# KiCad board NoU2-panelized2.kicad_pcb (continued)
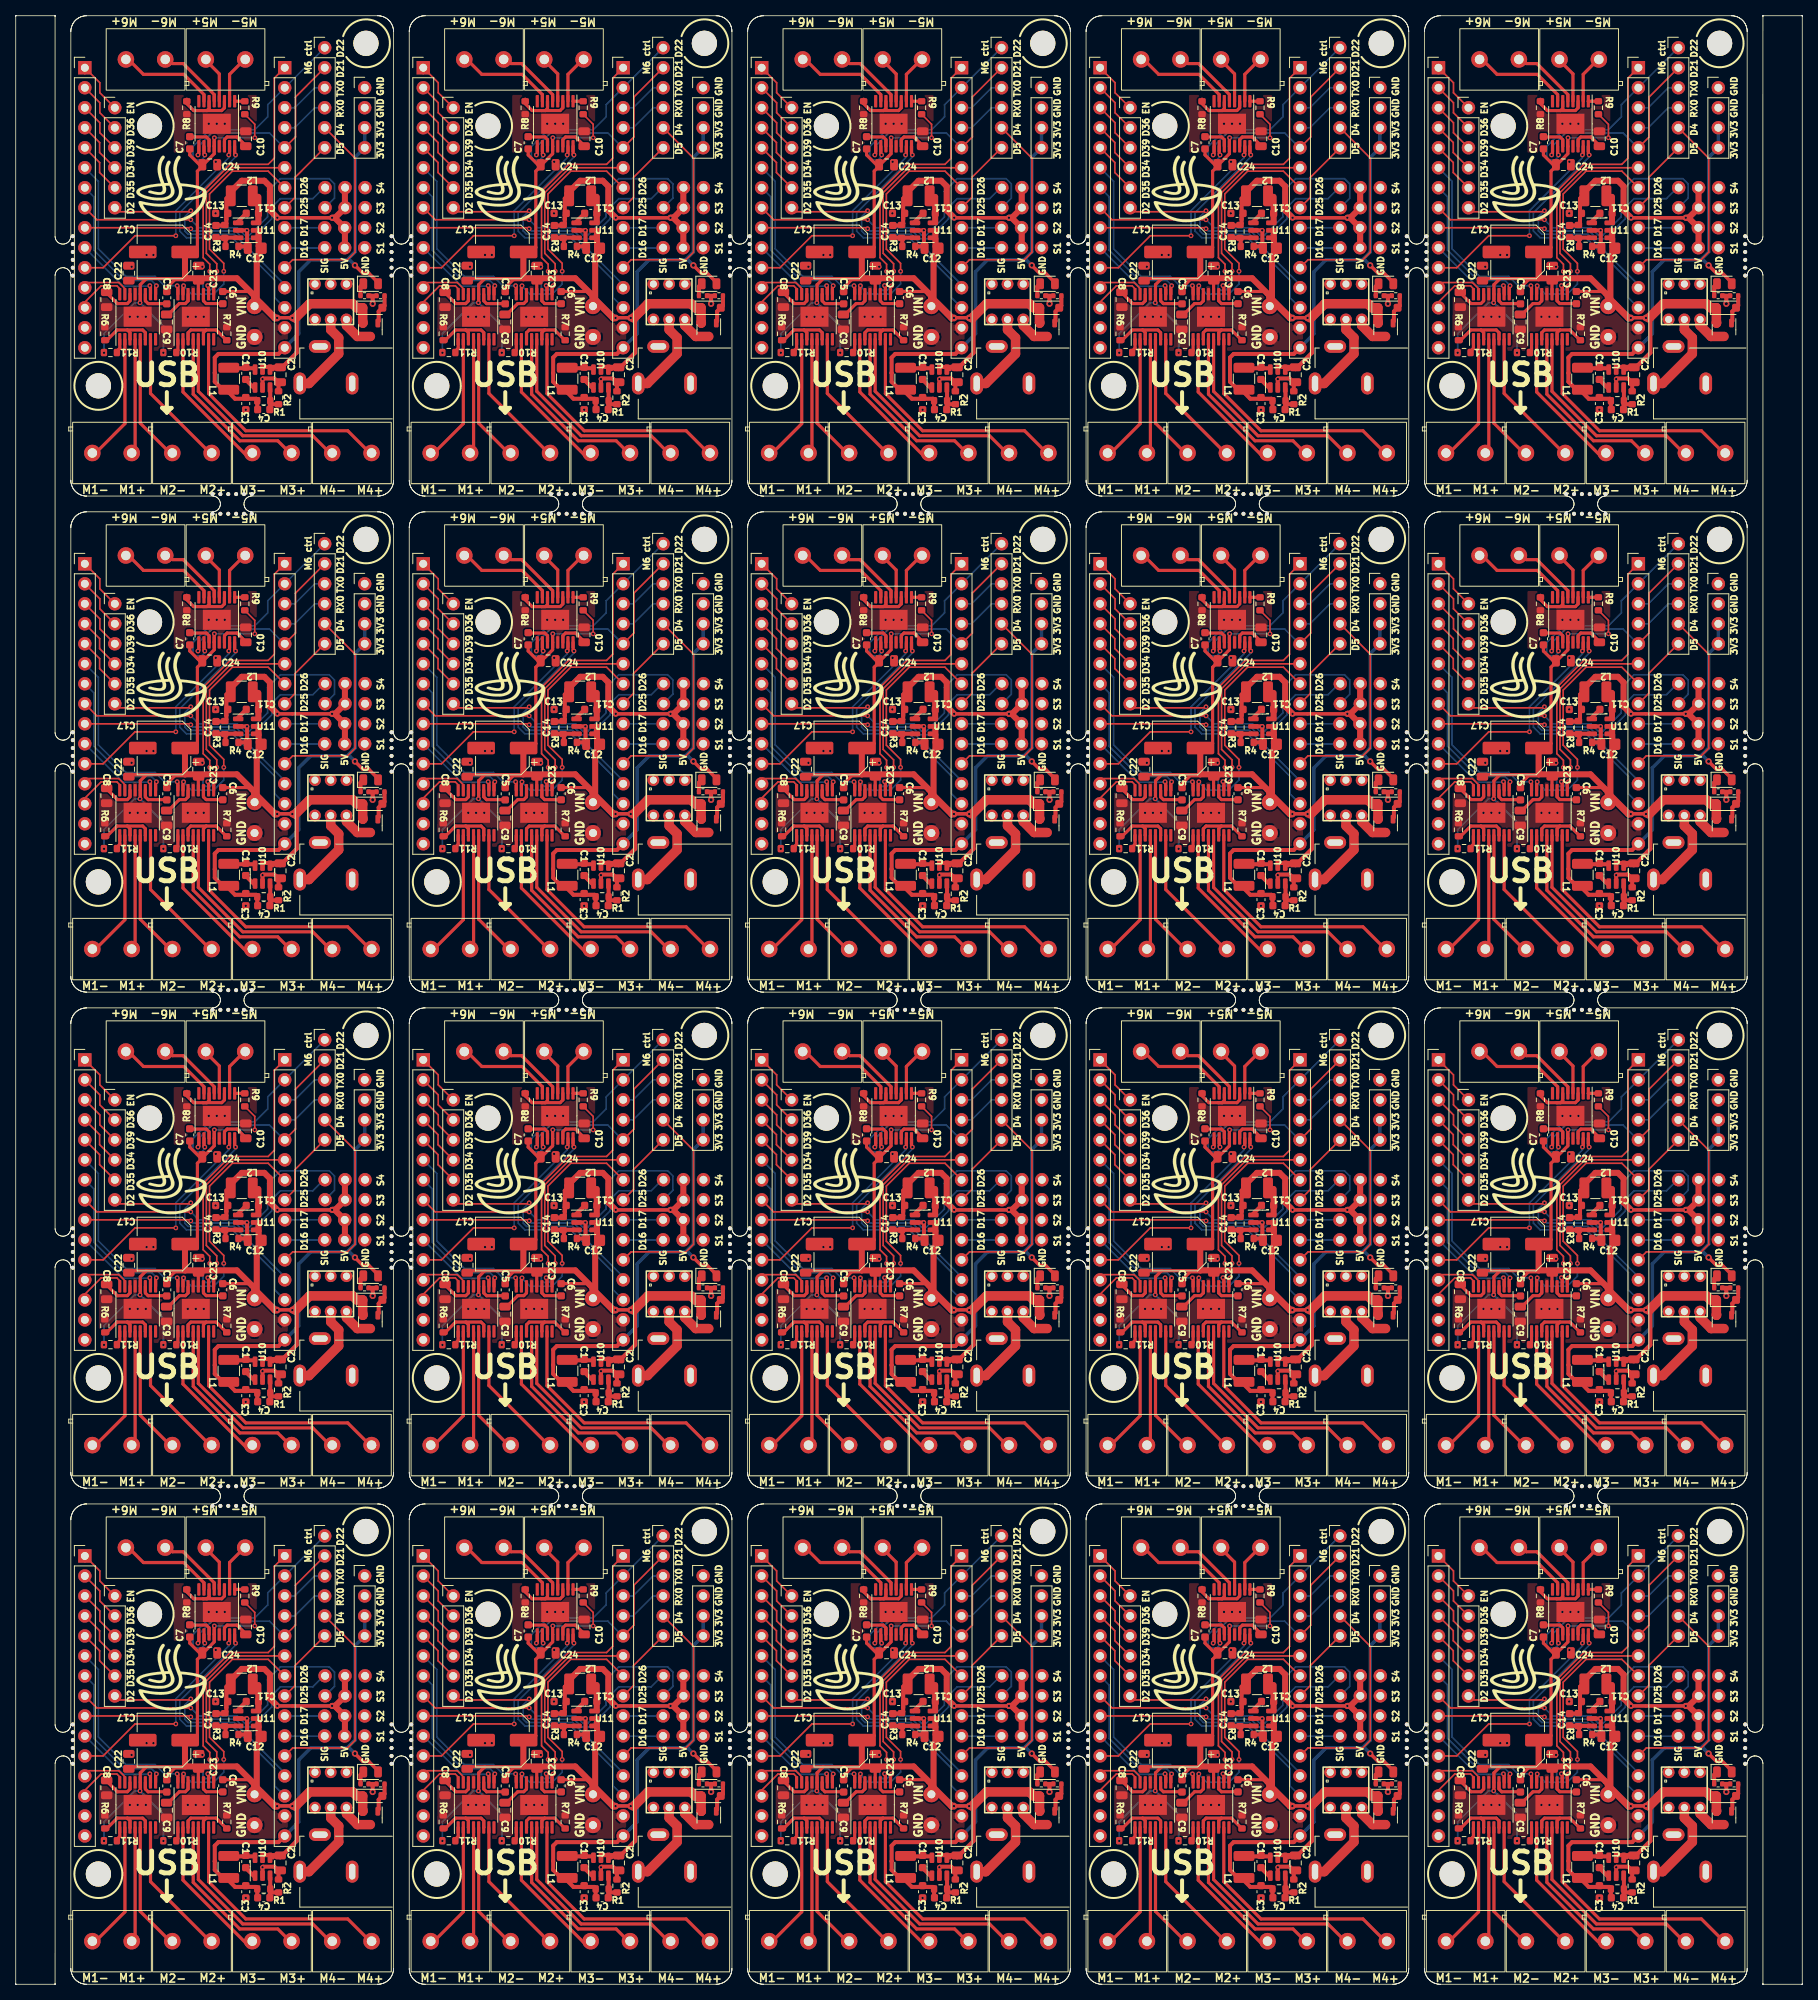
[diagram p0: board, top side]
## Nets (continued)
Board_18-GND: C2#19.1 C3#3.1 C8#2.2 C9#20.2 C10#18.2 C12#4.1 C13#18.1 C17#20.2 C22#14.2 C23#19.2 C24#7.2 J2#5.14 J3#3.1 J3#3.2 J5#16.14 J10#12.2 J13#20.1 R2#4.2 R4#6.2 R5#17.2 R6#19.1 R7#18.1 R8#17.1 R14#4.2 U1#20.13 U1#20.17 U2#10.13 U2#10.17 U3#14.13 U3#14.17 U10#7.2 U11#15.2 U17#15.2 U18#17.2
Board_18-M1A: J2#5.13 U1#20.16
Board_18-M1B: J2#5.12 U1#20.15
Board_18-M2A: J2#5.10 U1#20.10
Board_18-M2B: J2#5.7 U1#20.9
Board_18-M3A: J2#5.6 U3#14.16
Board_18-M3B: J5#16.7 U3#14.15
Board_18-M4A: J5#16.6 U3#14.10
Board_18-M4B: J5#16.1 U3#14.9
Board_18-M5A: J5#16.13 U2#10.16
Board_18-M5B: J2#5.11 U2#10.15
Board_18-M6A: J1#19.1 J5#16.2 U2#10.10
Board_18-M6B: J1#19.2 J5#16.5 U2#10.9
Board_18-Net-(D1-K): D1#11.1 R14#4.1
Board_18-Net-(D3-A): D3#20.2 Q1#9.1 R5#17.1
Board_18-Net-(J10-Pad1): J10#12.1 U4#15.5
Board_18-Net-(J11-Pin_1): J11#3.1 U1#20.4
Board_18-Net-(J11-Pin_2): J11#3.2 U1#20.2
Board_18-Net-(J15-Pin_1): J15#7.1 U1#20.7
Board_18-Net-(J15-Pin_2): J15#7.2 U1#20.5
Board_18-Net-(J16-Pin_1): J16#15.1 U3#14.4
Board_18-Net-(J16-Pin_2): J16#15.2 U3#14.2
Board_18-Net-(J17-Pin_1): J17#19.1 U3#14.7
Board_18-Net-(J17-Pin_2): J17#19.2 U3#14.5
Board_18-Net-(J18-Pin_1): J18#8.1 U2#10.4
Board_18-Net-(J18-Pin_2): J18#8.2 U2#10.2
Board_18-Net-(J19-Pin_1): J19#15.1 U2#10.7
Board_18-Net-(J19-Pin_2): J19#15.2 U2#10.5
Board_18-Net-(Q1-D): Q1#9.3 U4#15.6
Board_18-Net-(U1-AISEN): R6#19.2 U1#20.3 U1#20.6
Board_18-Net-(U1-nSLEEP): R11#17.1 U1#20.1
Board_18-Net-(U1-VCP): C5#19.2 U1#20.11
Board_18-Net-(U1-VINT): C8#2.1 U1#20.14
Board_18-Net-(U2-AISEN): R8#17.2 U2#10.3 U2#10.6
Board_18-Net-(U2-nSLEEP): R9#20.1 U2#10.1
Board_18-Net-(U2-VCP): C7#4.2 U2#10.11
Board_18-Net-(U2-VINT): C10#18.1 U2#10.14
Board_18-Net-(U3-AISEN): R7#18.2 U3#14.3 U3#14.6
Board_18-Net-(U3-nSLEEP): R10#17.1 U3#14.1
Board_18-Net-(U3-VCP): C6#12.2 U3#14.11
Board_18-Net-(U3-VINT): C9#20.1 U3#14.14
Board_18-Net-(U10-BS): C1#16.2 U10#7.1
Board_18-Net-(U10-FB): C4#16.1 R1#8.2 R2#4.1 U10#7.3
Board_18-Net-(U10-LX): C1#16.1 L1#17.1 U10#7.6
Board_18-Net-(U11-BS): C11#20.2 U11#15.1
Board_18-Net-(U11-FB): C14#9.1 R3#6.2 R4#6.1 U11#15.3
Board_18-Net-(U11-LX): C11#20.1 L2#14.1 U11#15.6
Board_18-RX0: J1#19.4 J5#16.4
Board_18-SRV1: J5#16.10 U18#17.4
Board_18-SRV2: J5#16.9 U18#17.3
Board_18-SRV3: J2#5.8 U17#15.4
Board_18-SRV4: J2#5.9 U17#15.3
Board_18-TX0: J1#19.3 J5#16.3
Board_18-unconnected-(U1-nFAULT-Pad8): U1#20.8
Board_18-unconnected-(U2-nFAULT-Pad8): U2#10.8
Board_18-unconnected-(U3-nFAULT-Pad8): U3#14.8
Board_18-unconnected-(U4-Pad1): U4#15.1
Board_18-unconnected-(U4-Pad2): U4#15.2
Board_18-unconnected-(U4-Pad3): U4#15.3
Board_18-unconnected-(U4-Pad4): U4#15.4
Board_18-VIN: C2#19.2 C5#19.1 C6#12.1 C7#4.1 C12#4.2 C17#20.1 C22#14.1 C23#19.1 C24#7.1 D3#20.1 J14#20.1 Q1#9.2 R9#20.2 R10#17.2 R11#17.2 U1#20.12 U2#10.12 U3#14.12 U10#7.4 U10#7.5 U11#15.4 U11#15.5
Board_19-3V3: C3#2.2 C4#20.2 D1#19.2 J3#9.3 J3#9.4 J5#3.15 L1#18.2 R1#2.1
Board_19-5V: C13#19.2 C14#16.2 L2#17.2 R3#5.1 U17#17.1 U18#2.1
Board_19-/Sheet6057E9B8/D34: J2#6.4 J4#20.4
Board_19-/Sheet6057E9B8/D35: J2#6.5 J4#20.5
Board_19-/Sheet6057E9B8/D36: J2#6.2 J4#20.2
Board_19-/Sheet6057E9B8/D39: J2#6.3 J4#20.3
Board_19-/Sheet6057E9B8/EN: J2#6.1 J4#20.1
Board_19-/Sheet6057E9B8/EVIN: J2#6.15
Board_19-D2: J4#20.6 J5#3.12
Board_19-D4: J1#4.5 J5#3.11
Board_19-D5: J1#4.6 J5#3.8
Board_19-GND: C2#18.1 C3#2.1 C8#18.2 C9#13.2 C10#12.2 C12#8.1 C13#19.1 C17#8.2 C22#11.2 C23#18.2 C24#18.2 J2#6.14 J3#9.1 J3#9.2 J5#3.14 J10#15.2 J13#16.1 R2#18.2 R4#16.2 R5#8.2 R6#18.1 R7#5.1 R8#2.1 R14#9.2 U1#12.13 U1#12.17 U2#18.13 U2#18.17 U3#19.13 U3#19.17 U10#6.2 U11#16.2 U17#17.2 U18#2.2
Board_19-M1A: J2#6.13 U1#12.16
Board_19-M1B: J2#6.12 U1#12.15
Board_19-M2A: J2#6.10 U1#12.10
Board_19-M2B: J2#6.7 U1#12.9
Board_19-M3A: J2#6.6 U3#19.16
Board_19-M3B: J5#3.7 U3#19.15
Board_19-M4A: J5#3.6 U3#19.10
Board_19-M4B: J5#3.1 U3#19.9
Board_19-M5A: J5#3.13 U2#18.16
Board_19-M5B: J2#6.11 U2#18.15
Board_19-M6A: J1#4.1 J5#3.2 U2#18.10
Board_19-M6B: J1#4.2 J5#3.5 U2#18.9
Board_19-Net-(D1-K): D1#19.1 R14#9.1
Board_19-Net-(D3-A): D3#16.2 Q1#14.1 R5#8.1
Board_19-Net-(J10-Pad1): J10#15.1 U4#9.5
Board_19-Net-(J11-Pin_1): J11#6.1 U1#12.4
Board_19-Net-(J11-Pin_2): J11#6.2 U1#12.2
Board_19-Net-(J15-Pin_1): J15#20.1 U1#12.7
Board_19-Net-(J15-Pin_2): J15#20.2 U1#12.5
Board_19-Net-(J16-Pin_1): J16#8.1 U3#19.4
Board_19-Net-(J16-Pin_2): J16#8.2 U3#19.2
Board_19-Net-(J17-Pin_1): J17#20.1 U3#19.7
Board_19-Net-(J17-Pin_2): J17#20.2 U3#19.5
Board_19-Net-(J18-Pin_1): J18#16.1 U2#18.4
Board_19-Net-(J18-Pin_2): J18#16.2 U2#18.2
Board_19-Net-(J19-Pin_1): J19#5.1 U2#18.7
Board_19-Net-(J19-Pin_2): J19#5.2 U2#18.5
Board_19-Net-(Q1-D): Q1#14.3 U4#9.6
Board_19-Net-(U1-AISEN): R6#18.2 U1#12.3 U1#12.6
Board_19-Net-(U1-nSLEEP): R11#20.1 U1#12.1
Board_19-Net-(U1-VCP): C5#20.2 U1#12.11
Board_19-Net-(U1-VINT): C8#18.1 U1#12.14
Board_19-Net-(U2-AISEN): R8#2.2 U2#18.3 U2#18.6
Board_19-Net-(U2-nSLEEP): R9#5.1 U2#18.1
Board_19-Net-(U2-VCP): C7#7.2 U2#18.11
Board_19-Net-(U2-VINT): C10#12.1 U2#18.14
Board_19-Net-(U3-AISEN): R7#5.2 U3#19.3 U3#19.6
Board_19-Net-(U3-nSLEEP): R10#11.1 U3#19.1
Board_19-Net-(U3-VCP): C6#20.2 U3#19.11
Board_19-Net-(U3-VINT): C9#13.1 U3#19.14
Board_19-Net-(U10-BS): C1#20.2 U10#6.1
Board_19-Net-(U10-FB): C4#20.1 R1#2.2 R2#18.1 U10#6.3
Board_19-Net-(U10-LX): C1#20.1 L1#18.1 U10#6.6
Board_19-Net-(U11-BS): C11#9.2 U11#16.1
Board_19-Net-(U11-FB): C14#16.1 R3#5.2 R4#16.1 U11#16.3
Board_19-Net-(U11-LX): C11#9.1 L2#17.1 U11#16.6
Board_19-RX0: J1#4.4 J5#3.4
Board_19-SRV1: J5#3.10 U18#2.4
Board_19-SRV2: J5#3.9 U18#2.3
Board_19-SRV3: J2#6.8 U17#17.4
Board_19-SRV4: J2#6.9 U17#17.3
Board_19-TX0: J1#4.3 J5#3.3
Board_19-unconnected-(U1-nFAULT-Pad8): U1#12.8
Board_19-unconnected-(U2-nFAULT-Pad8): U2#18.8
Board_19-unconnected-(U3-nFAULT-Pad8): U3#19.8
Board_19-unconnected-(U4-Pad1): U4#9.1
Board_19-unconnected-(U4-Pad2): U4#9.2
Board_19-unconnected-(U4-Pad3): U4#9.3
Board_19-unconnected-(U4-Pad4): U4#9.4
Board_19-VIN: C2#18.2 C5#20.1 C6#20.1 C7#7.1 C12#8.2 C17#8.1 C22#11.1 C23#18.1 C24#18.1 D3#16.1 J14#16.1 Q1#14.2 R9#5.2 R10#11.2 R11#20.2 U1#12.12 U2#18.12 U3#19.12 U10#6.4 U10#6.5 U11#16.4 U11#16.5

Pads without a net: J10 3; J10#2 3; J10#3 3; J10#4 3; J10#5 3; J10#6 3; J10#7 3; J10#8 3; J10#9 3; J10#10 3; J10#11 3; J10#12 3; J10#13 3; J10#14 3; J10#15 3; J10#16 3; J10#17 3; J10#18 3; J10#19 3; J10#20 3

## Via types
v1: diameter 0.8, hole 0.4, Top to Bottom, 40 vias
v2: diameter 0.61, hole 0.305, Top to Bottom, 880 vias

## Routing (per net, layer and track width the routed paths; a pad name or vN(x,y) marks a point on that pad's centre or on a via; arc(x,y) is an arc through that point)
Board_0-3V3: length 60.9
  Top w0.432: v1(43.1,218.3) 44.1,217.3 44.85,217.3 46.04,216.11 D1#5.2
  Top w0.508: 27.07,202.37 26.94,202.5 26.94,202.29 27.87,201.36 30.56,201.36 30.81,201.11 ; 30.81,200.04 30.86,199.99 ; 27.2,202.25 26.56,202.25 25.29,203.52 25.29,204.63 25.29,204.63 25.29,206.59 25.75,207.05 33.39,207.05 J5#14.15 ; R1#3.1 30.69,200.04
  Bottom w0.432: J3.3 J3.4 43.11,232.01 43.11,220.01 42.12,219.01 ; v1(43.1,218.3) 42.39,219.01 42.12,219.01 ; 42.12,219.01 37.48,219.01 35.96,217.49 35.96,209.62 J5#14.15
Board_0-5V: length 40.3
  Top w0.432: v2(40.2,224.35) v2(33.24,224.35)
  Top w0.508: C14#19.2 26.5,223.37 R3#18.1 26.76,223.63 26.76,224.14 ; 27.11,227.14 26.76,226.79 26.76,224.14 ; 26.76,224.14 26.76,224.69 26.98,224.9 26.98,225.1
  Top w0.762: 41.82,220.51 41.82,223.05 40.53,224.35 v2(40.2,224.35) 40.58,224.35 41.82,225.59 41.82,228.16 ; v2(33.24,224.35) 32.3,225.29 32.3,228.33 31.59,229.05 29.58,229.05 29.58,229.05 28.72,229.05 27.11,227.43 27.11,227.14
  Bottom w0.432: v2(33.24,224.35) v2(40.2,224.35)
Board_0-/Sheet6057E9B8/D34: length 6.7
  Top w0.203: J4#9.4 10.66,232.63 10.66,233.9 J2#13.4
Board_0-/Sheet6057E9B8/D35: length 6.7
  Top w0.203: J4#9.5 10.66,230.09 10.66,231.36 J2#13.5
Board_0-/Sheet6057E9B8/D36: length 6.7
  Top w0.203: J2#13.2 10.68,238.95 10.68,237.68 J4#9.2
Board_0-/Sheet6057E9B8/D39: length 6.7
  Top w0.203: J4#9.3 10.68,235.14 10.68,236.41 J2#13.3
Board_0-/Sheet6057E9B8/EN: length 7.3
  Top w0.203: J4#9.1 10.68,240.22 10.68,241.49 J2#13.1
  Top w0.399: 8.78,242.76 J2#13.1
Board_0-D2: length 28.7
  Top w0.203: v2(22.24,225.24) 22.11,225.11 13.1,225.11 J4#9.6
  Bottom w0.203: J5#14.12 34.18,215.84 27.77,222.25 21.9,222.25 21.48,222.67 21.48,224.47 v2(22.24,225.24)
Board_0-D4: length 27.2
  Top w0.203: J5#14.11 35.19,219.01 42.15,219.01 43.12,219.98 43.12,231.92 J1#9.5
Board_0-D5: length 9.7
  Top w0.203: J5#14.8 35.5,226.94 35.5,229.48 J1#9.6
Board_0-GND: length 11.5
  Top w0.508: 29.32,199.98 29.33,199.98 ; R4.2 29.31,220.71 29.4,220.8 29.4,222.72 v2(29.38,222.75) 28.06,222.75 ; R5#6.2 45.1,214.44 ; 45.1,214.44 R14#6.2 ; 45.1,214.44 45.35,214.19 v1(45.35,213.42) ; R2#11.2 33.39,203.24 C2#16.1 33.33,203.46 32.86,203.93 31.43,203.93 v2(31.36,203.86) 31.36,202.61
  vias: v2(14.49,211.77) v2(14.72,218.12) v2(15.5,211.77) v2(16.53,211.77) v2(16.63,219.62) v2(17.49,219.62) v2(21.86,211.77) v2(22.88,211.77) v2(23.71,218.12) v2(23.89,211.77) v2(24.53,236.28) v2(25.42,231.46) v2(25.39,224.9) v2(25.54,236.28) v2(26.56,236.28) v2(29.23,199.96)
Board_0-M1A: length 6.9
  Top w0.203: 13.22,214.64 13.22,215.33 12.85,215.7 10.85,215.7 8.78,213.63 J2#13.13
Board_0-M1B: length 6.8
  Top w0.203: J2#13.12 8.78,216.12 13.1,216.12 13.87,215.34 13.87,214.64
Board_0-M2A: length 11.3
  Top w0.399: 17.03,215.66 17.12,215.57 17.12,214.64
  Bottom w0.203: J2#13.10 13.66,215.66 17.03,215.66
  vias: v2(17.03,215.72)
Board_0-M2B: length 19.4
  Top w0.399: 17.77,214.64 17.77,215.56 17.87,215.66
  Bottom w0.203: J2#13.7 9.93,227 9.93,220.22 13.78,216.37 17.26,216.37 17.87,215.76 v2(17.87,215.71) 17.87,215.66 17.87,215.72
Board_0-M3A: length 24
  Top w0.399: 20.51,215.66 20.6,215.57 U3#2.16
  Bottom w0.203: v2(20.51,215.72) 18.88,215.72 17.7,216.9 14,216.9 10.5,220.4 10.5,228.97 J2#13.6
Board_0-M3B: length 30.9
  Top w0.203: J5#14.7 32.07,230.26 27.52,230.26 24.62,227.36 24.62,220.36 26.43,218.55 v2(26.43,217.54) ; 21.25,215.58 21.33,215.66
  Top w0.399: U3#2.15 21.25,215.58
  Bottom w0.203: v2(26.43,217.54) 26.43,215.93 25.15,214.65 22.34,214.65 21.33,215.66
  vias: v2(21.33,215.71)
Board_0-M4A: length 25.2
  Top w0.203: J5#14.6 27.39,230.7 24.22,227.53 24.22,219.83 25.54,218.5 v2(25.54,217.54)
  Top w0.399: 24.4,215.66 24.5,215.56 U3#2.10
  Bottom w0.203: v2(25.54,217.54) 25.54,216.82 24.4,215.67 24.4,215.66
  vias: v2(24.4,215.74)
Board_0-M4B: length 38.7
  Top w0.203: v2(24.65,217.54) 24.65,218.44 23.82,219.28 23.82,227.7 27.24,231.13 32.07,231.13 32.86,231.92 32.86,242.08 J5#14.1
  Top w0.399: U3#2.9 25.15,215.55 25.26,215.66
  Bottom w0.203: v2(25.29,215.71) 24.71,215.13 24.11,215.13 23.79,215.44 23.79,216.12 24.65,216.98 v2(24.65,217.54)
Board_0-M5A: length 32.5
  Top w0.399: 27.93,232.37 v2(27.93,232.32) 27.82,232.43 U2#9.16
  Bottom w0.203: v2(27.93,232.32) 27.93,232.07 20.84,224.98 20.84,222.65 21.69,221.81 27.51,221.81 32.91,216.41 32.91,214.19 34.18,212.92 J5#14.13
Board_0-M5B: length 27.4
  Top w0.203: J2#13.11 11.1,218 15.16,222.06 v2(20.34,222.06)
  Top w0.399: 27.07,232.37 27.17,232.47 U2#9.15
  Bottom w0.203: 27.07,232.37 27.07,231.97 20.34,225.24 v2(20.34,222.06)
  vias: v2(27.07,232.32)
Board_0-M6A: length 27.3
  Top w0.203: 39.26,245.94 J1#9.1
  Top w0.399: 24.02,232.37 23.92,232.47 U2#9.10
  Bottom w0.203: v2(24.02,232.32) 24.02,232.12 23.59,231.69 22.85,231.69 22.53,232.02 22.53,233.39 24.65,235.52 30.37,235.52 32.02,237.17 32.02,238.7 J5#14.2 39.26,245.94
Board_0-M6B: length 26.9
  Top w0.203: J5#14.5 35.55,234.61 35.55,239.69 J1#9.2
  Top w0.399: U2#9.9 23.27,232.49 23.16,232.37
  Bottom w0.203: 23.16,232.37 23.27,232.49 23.27,233.46 24.92,235.11 32.24,235.11 34.11,233.24 J5#14.5
  vias: v2(23.16,232.32)
Board_0-Net-(D1-K): length 1.7
  Top w0.508: R14#6.1 43.81,215.61 D1#5.1
Board_0-Net-(D3-A): length 3.7
  Top w0.508: 46.01,211.12 46.12,211.23 46.12,212.45 D3#6.2 46.86,213.19 R5#6.1
Board_0-Net-(J10-Pad1): length 11.3
  Top w1.2: 36.08,203.3 37.26,203.3 41.04,207.07 41.04,209.11 40.02,210.12 U4#19.5
Board_0-Net-(J11-Pin_1): length 14.9
  Top w0.399: 15.17,208.91 15.17,194.42 14.88,194.12
Board_0-Net-(J11-Pin_2): length 16.5
  Top w0.399: 13.87,208.91 13.87,198.2 9.79,194.12
Board_0-Net-(J15-Pin_1): length 18.1
  Top w0.399: 17.12,208.91 17.12,202.03 25.03,194.12
Board_0-Net-(J15-Pin_2): length 16.5
  Top w0.399: 19.95,194.12 15.82,198.25 15.82,208.91
Board_0-Net-(J16-Pin_1): length 22.9
  Top w0.399: U3#2.4 22.55,201.94 28.47,196.02 33.3,196.02 35.2,194.12
Board_0-Net-(J16-Pin_2): length 18.9
  Top w0.399: U3#2.2 21.25,202.22 29.35,194.12 30.12,194.12
Board_0-Net-(J17-Pin_1): length 31
  Top w0.399: 45.35,194.12 42.18,197.3 29.23,197.3 24.5,202.02 U3#2.7
Board_0-Net-(J17-Pin_2): length 27.1
  Top w0.399: U3#2.5 23.2,202.3 28.84,196.66 37.73,196.66 40.27,194.12
Board_0-Net-(J18-Pin_1): length 6.4
  Top w0.399: 24.15,244.79 24.15,244.34 25.87,242.61 U2#9.4
Board_0-Net-(J18-Pin_2): length 6.5
  Top w0.399: 29.23,244.79 29.23,244.62 27.17,242.56 U2#9.2
Board_0-Net-(J19-Pin_1): length 12.8
  Top w0.399: 13.99,244.79 16.22,242.56 21.35,242.56 23.92,239.99 U2#9.7
Board_0-Net-(J19-Pin_2): length 9
  Top w0.399: U2#9.5 25.22,239.99 21.28,243.93 19.93,243.93 19.07,244.79
Board_0-Net-(Q1-D): length 4.4
  Top w1.2: Q1#2.3 43.41,209.27 42.02,210.66 U4#19.6
Board_0-Net-(U1-AISEN): length 7.8
  Top w0.399: 11.7,208.66 11.7,208.91 12.89,210.1 14.18,210.1 ; 14.52,208.91 14.52,208.91 14.52,209.75 14.18,210.1 ; 14.18,210.1 16.13,210.1 16.47,209.75 16.47,208.91 16.47,208.91
Board_0-Net-(U1-nSLEEP): length 1.8
  Top w0.399: 12.78,207.33 13.22,207.77 13.22,208.91
Board_0-Net-(U1-VCP): length 3.7
  Top w0.399: 16.47,214.64 16.47,213.79 16.82,213.44 19.16,213.44 C5.2
Board_0-Net-(U1-VINT): length 4.6
  Top w0.399: C8.1 11.55,214.81 12.91,213.45 14.18,213.45 14.52,213.79 14.52,214.64
Board_0-Net-(U2-AISEN): length 8.5
  Top w0.399: U2#9.3 26.52,238.3 26.17,237.96 23.79,237.96 ; 23.79,237.96 24.3,237.96 24.57,238.23 U2#9.6 ; 23.79,237.96 22.61,237.96 21.73,238.84 21.73,239.4
Board_0-Net-(U2-nSLEEP): length 1.3
  Top w0.399: U2#9.1 27.82,239.14 R9#8.1
Board_0-Net-(U2-VCP): length 3.5
  Top w0.399: C7.2 22.15,234.61 24.22,234.61 24.57,234.27 U2#9.11
Board_0-Net-(U2-VINT): length 4.2
  Top w0.399: U2#9.14 26.52,234.27 26.86,234.61 28.12,234.61 29.23,233.51 C10#3.1
Board_0-Net-(U3-AISEN): length 7.8
  Top w0.399: 24.19,210.1 25.47,210.1 26.69,208.89 26.69,208.66 ; 24.19,210.1 22.24,210.1 21.9,209.75 U3#2.3 21.9,208.91 ; 24.19,210.1 23.85,209.75 U3#2.6 23.84,208.9
Board_0-Net-(U3-nSLEEP): length 1.7
  Top w0.399: U3#2.1 20.6,207.53 20.4,207.33
Board_0-Net-(U3-VCP): length 3.4
  Top w0.399: C6#8.2 26.28,213.45 24.19,213.45 23.85,213.79 U3#2.11
Board_0-Net-(U3-VINT): length 4.3
  Top w0.399: C9#14.1 19.4,212.06 20.78,213.45 21.56,213.45 21.9,213.79 U3#2.14
Board_0-Net-(U10-BS): length 1.7
  Top w0.508: 29.2,203.8 30.37,202.63 ; 29.33,203.81 29.33,203.78
Board_0-Net-(U10-FB): length 4.1
  Top w0.508: C4#8.1 32.29,201.06 ; 32.29,201.06 R1#3.2 32.34,202.59 ; 32.29,201.06 32.29,200.84 32.46,200.66 R2#11.1 ; 32.41,201.06 32.46,201.11
Board_0-Net-(U10-LX): length 3.3
  Top w0.508: 30.43,205.23 27.15,205.23
Board_0-Net-(U11-BS): length 1.7
  Top w0.508: C11#13.2 28.08,223.7 28.06,223.7
Board_0-Net-(U11-FB): length 3.7
  Top w0.508: 28.06,221.8 28.04,221.82 C14#19.1 ; R3#18.2 26.65,221.69 R4.1
Board_0-Net-(U11-LX): length 3.5
  Top w0.508: 30.7,226.99 30.65,227.04 ; 30.68,224.75 C11#13.1 30.7,225.04
  Top w0.762: 30.83,223.81 30.83,224.86 ; 30.83,225.06 30.83,227
Board_0-RX0: length 6.1
  Bottom w0.203: J5#14.4 35.45,235.78 37.99,238.32 J1#9.4
Board_0-SRV1: length 5.1
  Top w0.203: 34.21,220.51 J5#14.10
  Bottom w0.203: 39.28,220.51 34.21,220.51
Board_0-SRV2: length 5.1
  Bottom w0.203: J5#14.9 39.26,223.08
Board_0-SRV3: length 41.8
  Top w0.203: J2#13.8 10.3,224.09 v2(22.24,224.09)
  Bottom w0.203: v2(22.24,224.09) 23.26,223.08 28.15,223.08 29.08,222.14 29.68,222.14 32,224.46 32,227.68 33.63,229.31 39.83,229.31 40.5,228.64 40.5,226.83 39.28,225.62
Board_0-SRV4: length 34.6
  Top w0.203: J2#13.9 22.15,223.08 v2(22.24,222.95)
  Bottom w0.203: v2(22.24,222.95) 22.52,222.67 27.91,222.67 28.91,221.68 29.99,221.68 32.53,224.22 32.53,225.67 33.63,226.77 37.75,226.77 39.13,228.16 39.28,228.16
Board_0-TX0: length 6.1
  Bottom w0.203: J5#14.3 35.45,238.32 37.99,240.86 J1#9.3
Board_0-VIN: length 119.5
  Top w0.203: v2(30.37,234.51) 30.37,236.22 R9#8.2
  Top w0.25: J14#3.1 30.74,213.51 30.74,214.1
  Top w0.399: 23.7,231.08 23.36,231.08 22.11,232.32 C7.1 ; 23.7,231.08 23.7,230.89 23.08,230.26 23.08,220.59 22.49,220 C17#17.1 ; 23.7,231.08 23.82,231.08 25.22,232.48 U2#9.12 25.21,233.43 25.21,234.51 ; 20.16,216.42 19.19,215.46 C5.1 ; 29.01,237.4 R9#8.2 ; 21.54,216.62 16.6,216.62 15.82,215.84 15.82,213.56 15.81,213.55 ; C6#8.1 29.78,214.98 30.04,214.72 ; 23.21,216.36 23.2,216.35 U3#2.12 ; C22#6.1 14.61,216.6 ; 14.65,216.62 16.63,216.62 ; 21.49,216.47 20.32,216.47
  Top w0.432: v2(33.21,211.62) 33.25,211.65 35.11,211.65 v2(35.14,211.62)
  Top w0.508: 31.65,205.4 32.27,205.4 ; 30.86,219.72 30.86,219.95 C12#6.2 ; 30.86,221.61 30.68,221.8 ; 32.53,205.27 32.69,205.11 ; 33.6,205.11 33.77,205.28 33.79,205.28 35.7,207.2 35.7,211.46 35.54,211.62 ; 33.52,205.41 32.61,205.41
  Top w0.762: C17#17.1 21.5,219.97 21.5,216.66 ; 30.85,221.7 30.85,222.65 ; 21.57,216.66 28.1,216.66 30.34,214.41 J14#3.1 30.62,213.4 30.62,219.48 30.86,219.72 30.86,221.61
  Top w0.864: v2(33.21,211.62) 32.93,211.62 30.34,214.21 30.34,214.41 ; 35.54,211.62 v2(35.14,211.62)
  Top w1.2: 44.11,211.12 Q1#2.2 44.09,211 D3#6.1 43.32,212.92 42.81,213.42 37.34,213.42 35.54,211.62
  Bottom w0.203: 25.21,234.51 v2(30.37,234.51) ; v2(11.22,207.2) 11.22,209.64 15.13,213.55 v2(15.79,213.55)
  Bottom w0.25: v2(15.79,213.55) 18.76,210.58 v2(18.76,207.2)
  Bottom w0.432: v2(33.21,211.62) 33.25,211.65 35.11,211.65 v2(35.14,211.62)
  vias: v2(25.24,234.51)
Board_1-3V3: length 60.9
  Top w0.432: v1(86.1,218.3) 87.1,217.3 87.85,217.3 89.04,216.11 D1#14.2
  Top w0.508: 70.07,202.37 69.94,202.5 69.94,202.29 70.87,201.36 73.56,201.36 73.81,201.11 ; 73.81,200.04 73.86,199.99 ; 70.2,202.25 69.56,202.25 68.29,203.52 68.29,204.63 68.29,204.63 68.29,206.59 68.75,207.05 76.39,207.05 J5#5.15 ; R1#5.1 73.69,200.04
  Bottom w0.432: J3#5.3 J3#5.4 86.11,232.01 86.11,220.01 85.12,219.01 ; v1(86.1,218.3) 85.39,219.01 85.12,219.01 ; 85.12,219.01 80.48,219.01 78.96,217.49 78.96,209.62 J5#5.15
Board_1-5V: length 40.3
  Top w0.432: v2(83.2,224.35) v2(76.24,224.35)
  Top w0.508: C14#17.2 69.5,223.37 R3#2.1 69.76,223.63 69.76,224.14 ; 70.11,227.14 69.76,226.79 69.76,224.14 ; 69.76,224.14 69.76,224.69 69.98,224.9 69.98,225.1
  Top w0.762: 84.82,220.51 84.82,223.05 83.53,224.35 v2(83.2,224.35) 83.58,224.35 84.82,225.59 84.82,228.16 ; v2(76.24,224.35) 75.3,225.29 75.3,228.33 74.59,229.05 72.58,229.05 72.58,229.05 71.72,229.05 70.11,227.43 70.11,227.14
  Bottom w0.432: v2(76.24,224.35) v2(83.2,224.35)
Board_1-/Sheet6057E9B8/D34: length 6.7
  Top w0.203: J4#7.4 53.66,232.63 53.66,233.9 J2#10.4
Board_1-/Sheet6057E9B8/D35: length 6.7
  Top w0.203: J4#7.5 53.66,230.09 53.66,231.36 J2#10.5
Board_1-/Sheet6057E9B8/D36: length 6.7
  Top w0.203: J2#10.2 53.68,238.95 53.68,237.68 J4#7.2
Board_1-/Sheet6057E9B8/D39: length 6.7
  Top w0.203: J4#7.3 53.68,235.14 53.68,236.41 J2#10.3
Board_1-/Sheet6057E9B8/EN: length 7.3
  Top w0.203: J4#7.1 53.68,240.22 53.68,241.49 J2#10.1
  Top w0.399: 51.78,242.76 J2#10.1
Board_1-D2: length 28.7
  Top w0.203: v2(65.24,225.24) 65.11,225.11 56.1,225.11 J4#7.6
  Bottom w0.203: J5#5.12 77.18,215.84 70.77,222.25 64.9,222.25 64.48,222.67 64.48,224.47 v2(65.24,225.24)
Board_1-D4: length 27.2
  Top w0.203: J5#5.11 78.19,219.01 85.15,219.01 86.12,219.98 86.12,231.92 J1#8.5
Board_1-D5: length 9.7
  Top w0.203: J5#5.8 78.5,226.94 78.5,229.48 J1#8.6
Board_1-GND: length 11.5
  Top w0.508: 72.32,199.98 72.33,199.98 ; R4#4.2 72.31,220.71 72.4,220.8 72.4,222.72 v2(72.38,222.75) 71.06,222.75 ; R5#2.2 88.1,214.44 ; 88.1,214.44 R14#7.2 ; 88.1,214.44 88.35,214.19 v1(88.35,213.42) ; R2#12.2 76.39,203.24 C2#14.1 76.33,203.46 75.86,203.93 74.43,203.93 v2(74.36,203.86) 74.36,202.61
  vias: v2(57.49,211.77) v2(57.72,218.12) v2(58.5,211.77) v2(59.53,211.77) v2(59.63,219.62) v2(60.49,219.62) v2(64.86,211.77) v2(65.88,211.77) v2(66.71,218.12) v2(66.89,211.77) v2(67.53,236.28) v2(68.42,231.46) v2(68.39,224.9) v2(68.54,236.28) v2(69.56,236.28) v2(72.23,199.96)
Board_1-M1A: length 6.9
  Top w0.203: 56.22,214.64 56.22,215.33 55.85,215.7 53.85,215.7 51.78,213.63 J2#10.13
Board_1-M1B: length 6.8
  Top w0.203: J2#10.12 51.78,216.12 56.1,216.12 56.87,215.34 56.87,214.64
Board_1-M2A: length 11.3
  Top w0.399: 60.03,215.66 60.12,215.57 60.12,214.64
  Bottom w0.203: J2#10.10 56.66,215.66 60.03,215.66
  vias: v2(60.03,215.72)
Board_1-M2B: length 19.4
  Top w0.399: 60.77,214.64 60.77,215.56 60.87,215.66
  Bottom w0.203: J2#10.7 52.93,227 52.93,220.22 56.78,216.37 60.26,216.37 60.87,215.76 v2(60.87,215.71) 60.87,215.66 60.87,215.72
Board_1-M3A: length 24
  Top w0.399: 63.51,215.66 63.6,215.57 U3#5.16
  Bottom w0.203: v2(63.51,215.72) 61.88,215.72 60.7,216.9 57,216.9 53.5,220.4 53.5,228.97 J2#10.6
Board_1-M3B: length 30.9
  Top w0.203: J5#5.7 75.07,230.26 70.52,230.26 67.62,227.36 67.62,220.36 69.43,218.55 v2(69.43,217.54) ; 64.25,215.58 64.33,215.66
  Top w0.399: U3#5.15 64.25,215.58
  Bottom w0.203: v2(69.43,217.54) 69.43,215.93 68.15,214.65 65.34,214.65 64.33,215.66
  vias: v2(64.33,215.71)
Board_1-M4A: length 25.2
  Top w0.203: J5#5.6 70.39,230.7 67.22,227.53 67.22,219.83 68.54,218.5 v2(68.54,217.54)
  Top w0.399: 67.4,215.66 67.5,215.56 U3#5.10
  Bottom w0.203: v2(68.54,217.54) 68.54,216.82 67.4,215.67 67.4,215.66
  vias: v2(67.4,215.74)
Board_1-M4B: length 38.7
  Top w0.203: v2(67.65,217.54) 67.65,218.44 66.82,219.28 66.82,227.7 70.24,231.13 75.07,231.13 75.86,231.92 75.86,242.08 J5#5.1
  Top w0.399: U3#5.9 68.15,215.55 68.26,215.66
  Bottom w0.203: v2(68.29,215.71) 67.71,215.13 67.11,215.13 66.79,215.44 66.79,216.12 67.65,216.98 v2(67.65,217.54)
Board_1-M5A: length 32.5
  Top w0.399: 70.93,232.37 v2(70.93,232.32) 70.82,232.43 U2#16.16
  Bottom w0.203: v2(70.93,232.32) 70.93,232.07 63.84,224.98 63.84,222.65 64.69,221.81 70.51,221.81 75.91,216.41 75.91,214.19 77.18,212.92 J5#5.13
Board_1-M5B: length 27.4
  Top w0.203: J2#10.11 54.1,218 58.16,222.06 v2(63.34,222.06)
  Top w0.399: 70.07,232.37 70.17,232.47 U2#16.15
  Bottom w0.203: 70.07,232.37 70.07,231.97 63.34,225.24 v2(63.34,222.06)
  vias: v2(70.07,232.32)
Board_1-M6A: length 27.3
  Top w0.203: 82.25,245.94 J1#8.1
  Top w0.399: 67.02,232.37 66.92,232.47 U2#16.10
  Bottom w0.203: v2(67.02,232.32) 67.02,232.12 66.59,231.69 65.85,231.69 65.53,232.02 65.53,233.39 67.65,235.52 73.37,235.52 75.02,237.17 75.02,238.7 J5#5.2 82.25,245.94
Board_1-M6B: length 26.9
  Top w0.203: J5#5.5 78.55,234.61 78.55,239.69 J1#8.2
  Top w0.399: U2#16.9 66.27,232.49 66.16,232.37
  Bottom w0.203: 66.16,232.37 66.27,232.49 66.27,233.46 67.92,235.11 75.24,235.11 77.11,233.24 J5#5.5
  vias: v2(66.16,232.32)
Board_1-Net-(D1-K): length 1.7
  Top w0.508: R14#7.1 86.81,215.61 D1#14.1
Board_1-Net-(D3-A): length 3.7
  Top w0.508: 89.01,211.12 89.12,211.23 89.12,212.45 D3#7.2 89.86,213.19 R5#2.1
Board_1-Net-(J10-Pad1): length 11.3
  Top w1.2: 79.08,203.3 80.26,203.3 84.04,207.07 84.04,209.11 83.02,210.12 U4#2.5
Board_1-Net-(J11-Pin_1): length 14.9
  Top w0.399: 58.17,208.91 58.17,194.42 57.87,194.12
Board_1-Net-(J11-Pin_2): length 16.5
  Top w0.399: 56.87,208.91 56.87,198.2 52.79,194.12
Board_1-Net-(J15-Pin_1): length 18.1
  Top w0.399: 60.12,208.91 60.12,202.03 68.03,194.12
Board_1-Net-(J15-Pin_2): length 16.5
  Top w0.399: 62.95,194.12 58.82,198.25 58.82,208.91
Board_1-Net-(J16-Pin_1): length 22.9
  Top w0.399: U3#5.4 65.55,201.94 71.47,196.02 76.3,196.02 78.19,194.12
Board_1-Net-(J16-Pin_2): length 18.9
  Top w0.399: U3#5.2 64.25,202.22 72.35,194.12 73.12,194.12
Board_1-Net-(J17-Pin_1): length 31
  Top w0.399: 88.35,194.12 85.18,197.3 72.23,197.3 67.5,202.02 U3#5.7
Board_1-Net-(J17-Pin_2): length 27.1
  Top w0.399: U3#5.5 66.2,202.3 71.84,196.66 80.73,196.66 83.28,194.12
Board_1-Net-(J18-Pin_1): length 6.4
  Top w0.399: 67.15,244.79 67.15,244.34 68.87,242.61 U2#16.4
Board_1-Net-(J18-Pin_2): length 6.5
  Top w0.399: 72.23,244.79 72.23,244.62 70.17,242.56 U2#16.2
Board_1-Net-(J19-Pin_1): length 12.8
  Top w0.399: 56.99,244.79 59.22,242.56 64.35,242.56 66.92,239.99 U2#16.7
Board_1-Net-(J19-Pin_2): length 9
  Top w0.399: U2#16.5 68.22,239.99 64.28,243.93 62.93,243.93 62.07,244.79
Board_1-Net-(Q1-D): length 4.4
  Top w1.2: Q1#13.3 86.41,209.27 85.02,210.66 U4#2.6
Board_1-Net-(U1-AISEN): length 7.8
  Top w0.399: 54.7,208.66 54.7,208.91 55.89,210.1 57.18,210.1 ; 57.52,208.91 57.52,208.91 57.52,209.75 57.18,210.1 ; 57.18,210.1 59.13,210.1 59.47,209.75 59.47,208.91 59.47,208.91
Board_1-Net-(U1-nSLEEP): length 1.8
  Top w0.399: 55.78,207.33 56.22,207.77 56.22,208.91
Board_1-Net-(U1-VCP): length 3.7